# Altium PCB OTPCB.PcbDoc (part 1 of 3)
Units mm, origin at the board's own origin, x right, y up, seen from the top; angles counter-clockwise.
Board outline 201.69 x 98.36 mm, 4 copper layers (Top Layer, Layer 1, Layer 2, Bottom Layer), stack 1.546 mm thick; 269 components, 220 nets, 1102 pads, 262 vias.
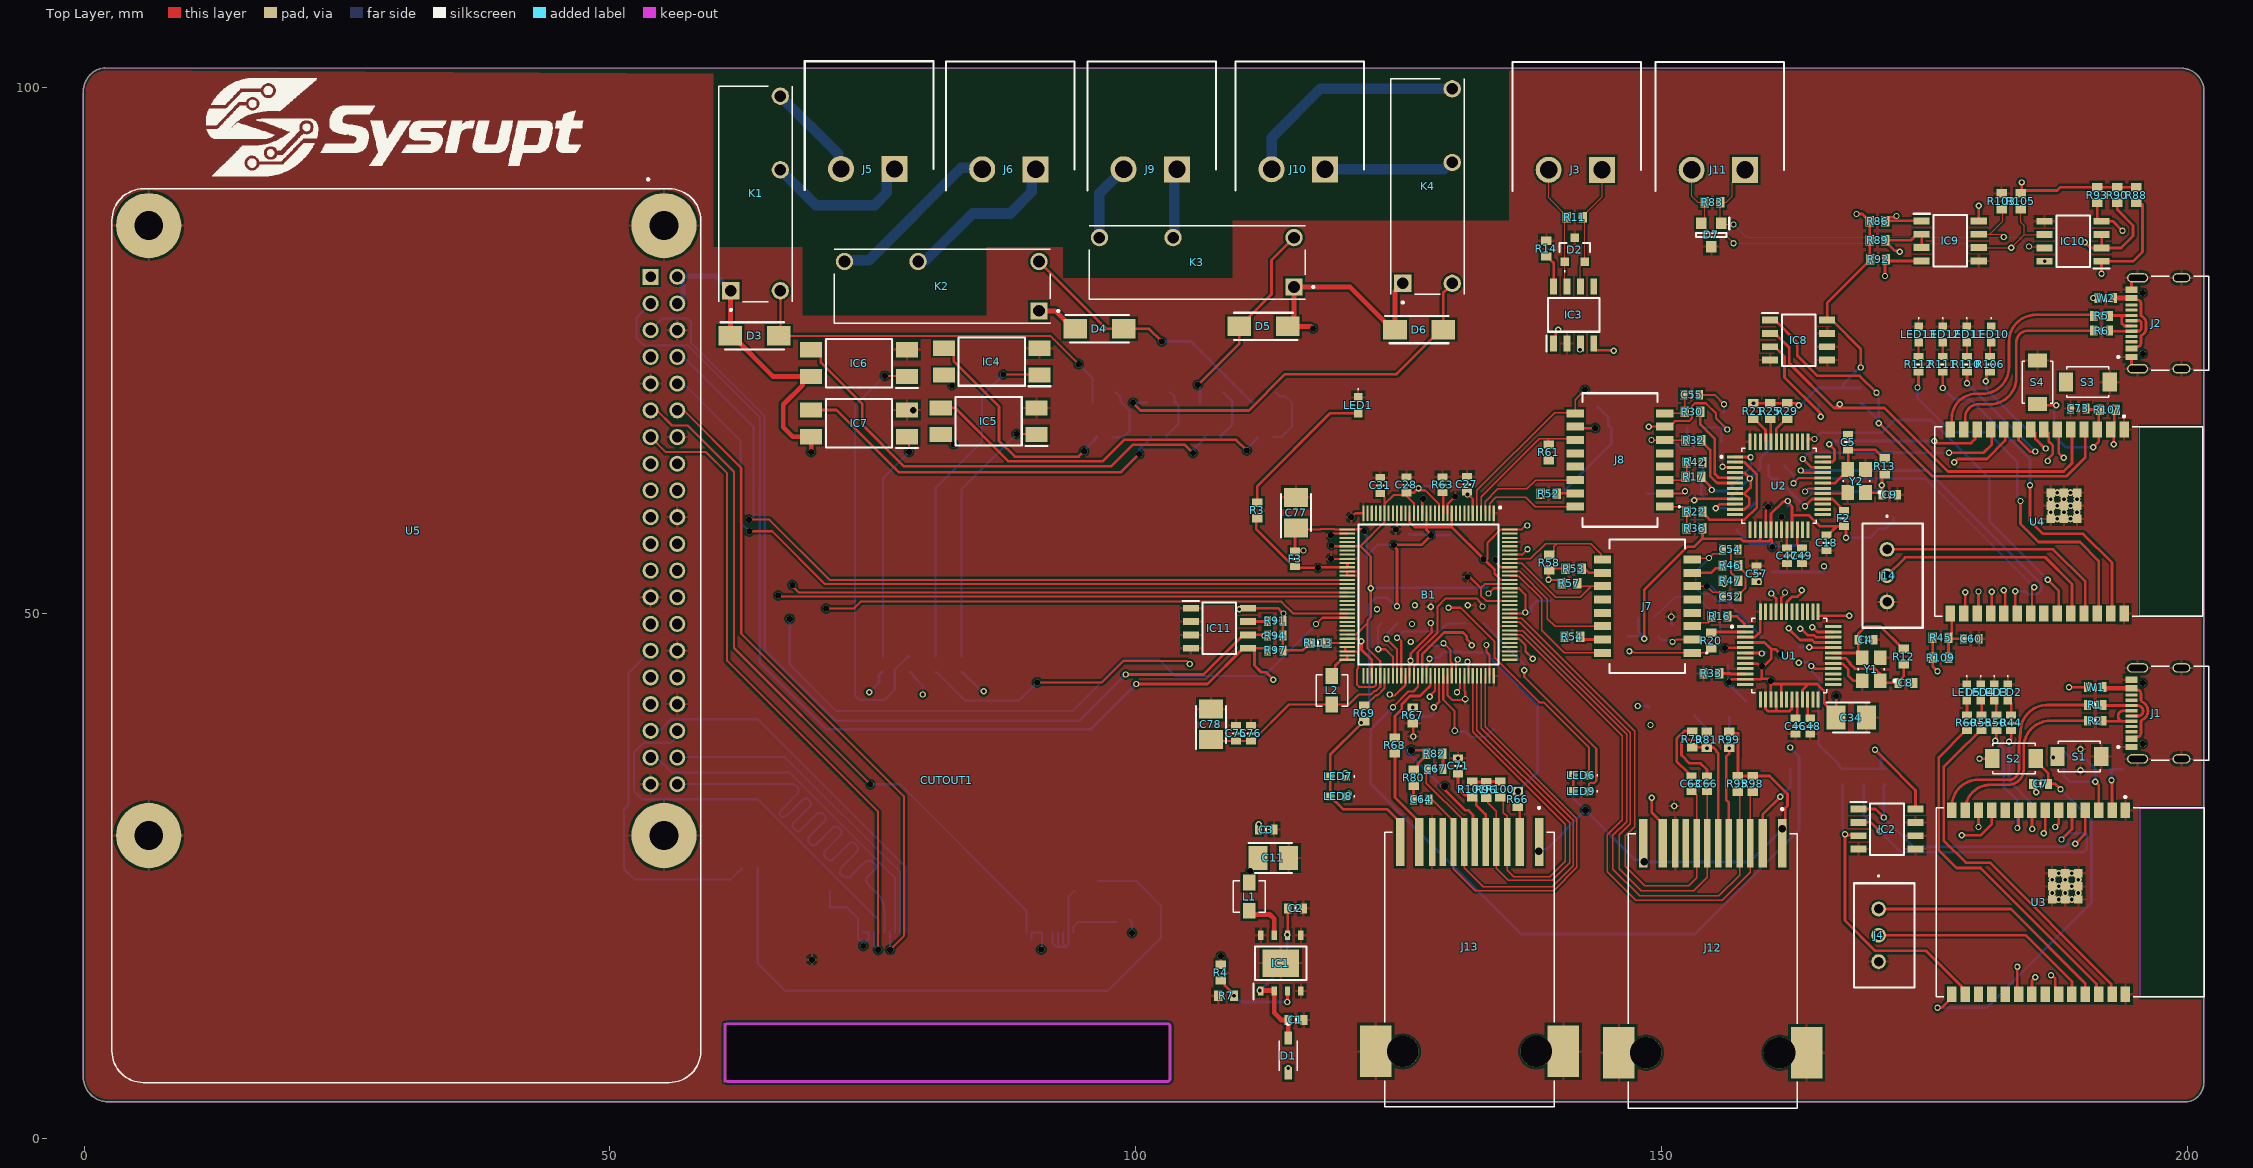
[diagram p0: Top Layer view]
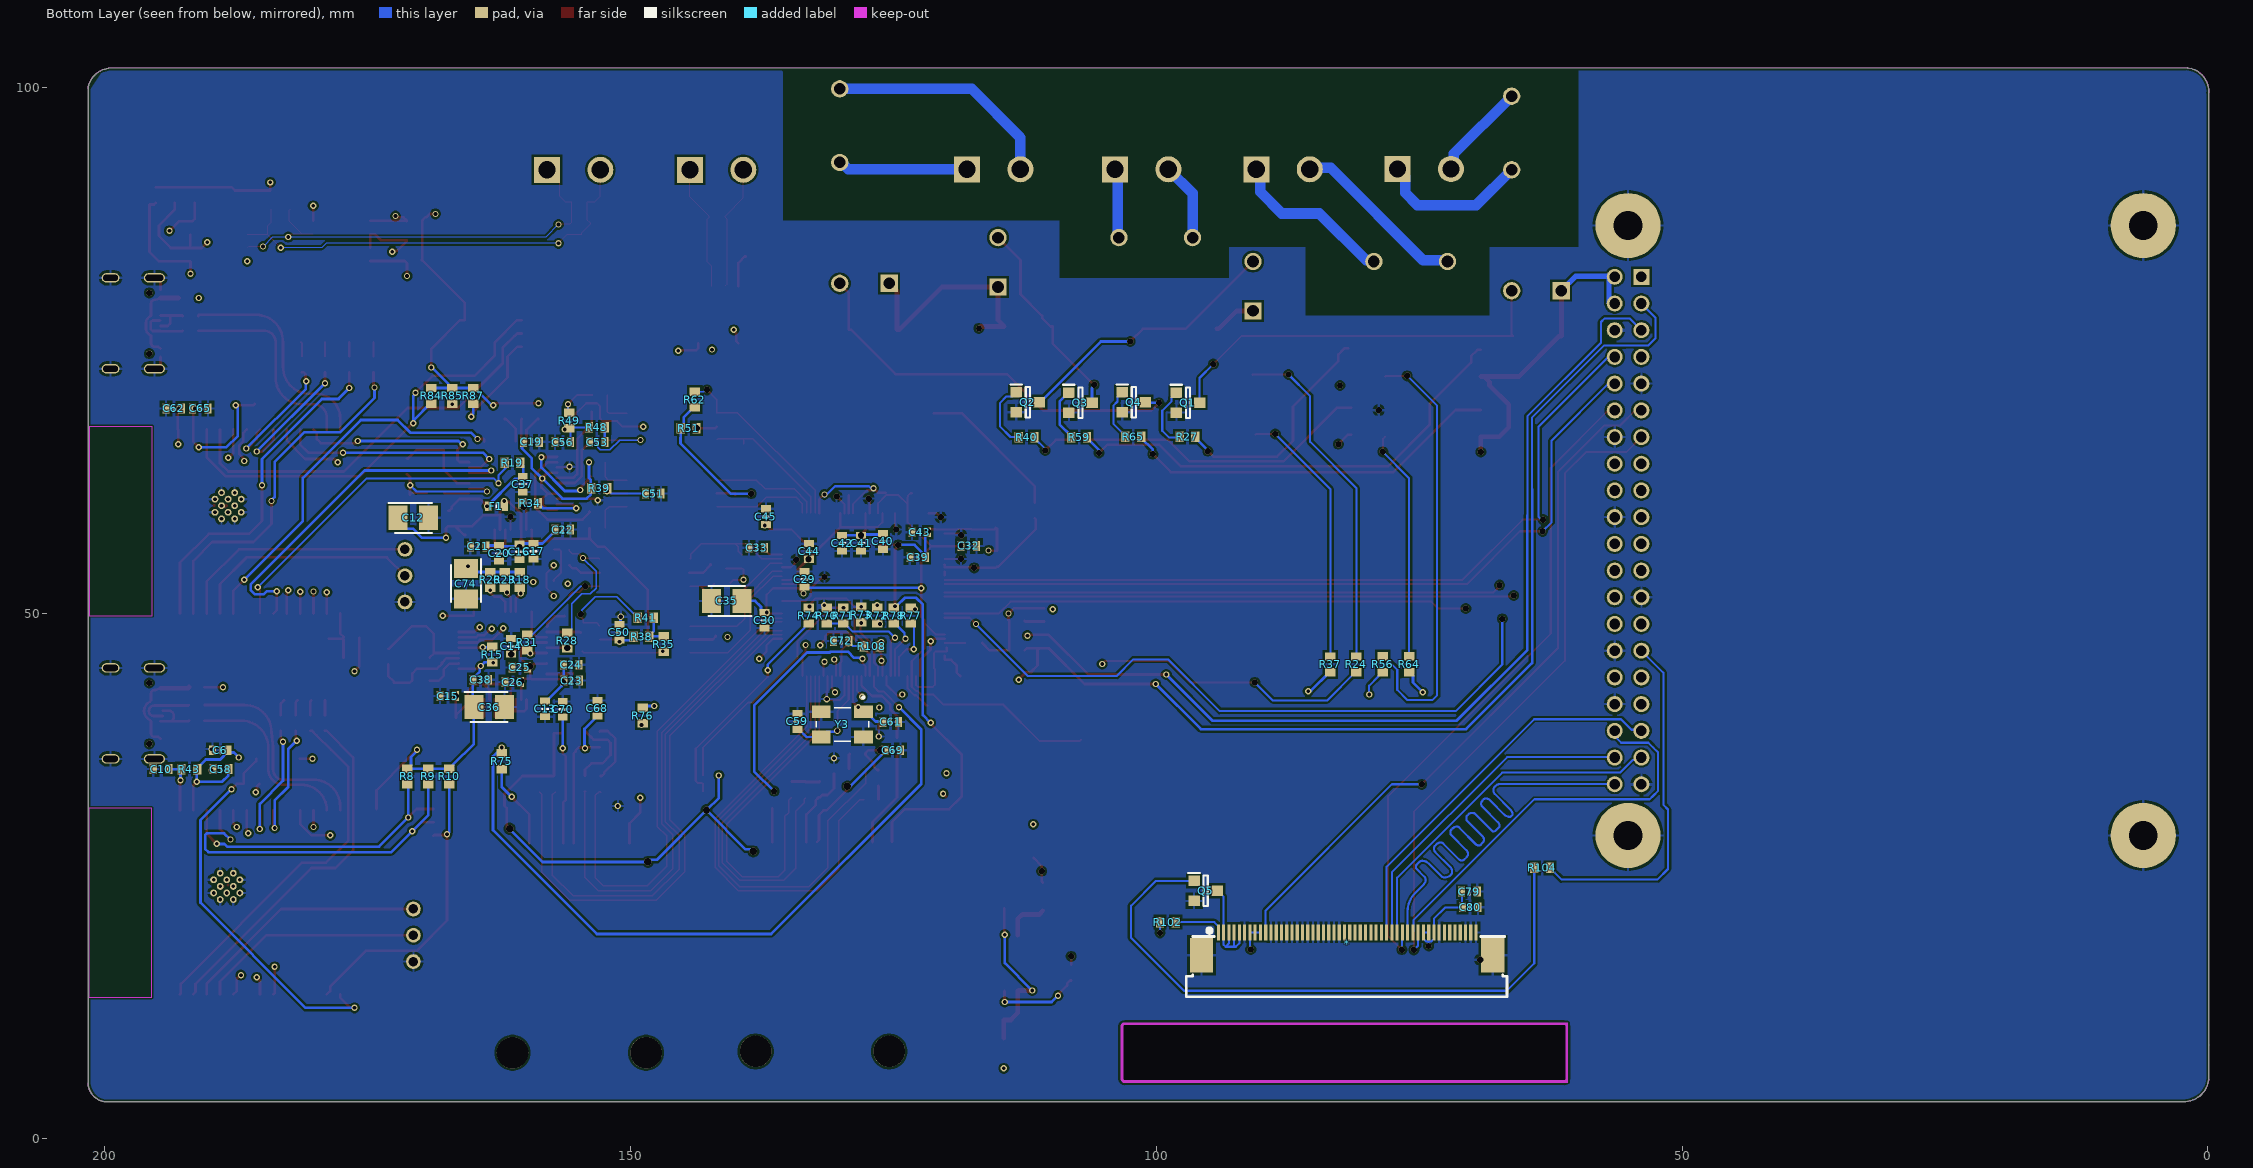
[diagram p1: Bottom Layer view, seen from below]
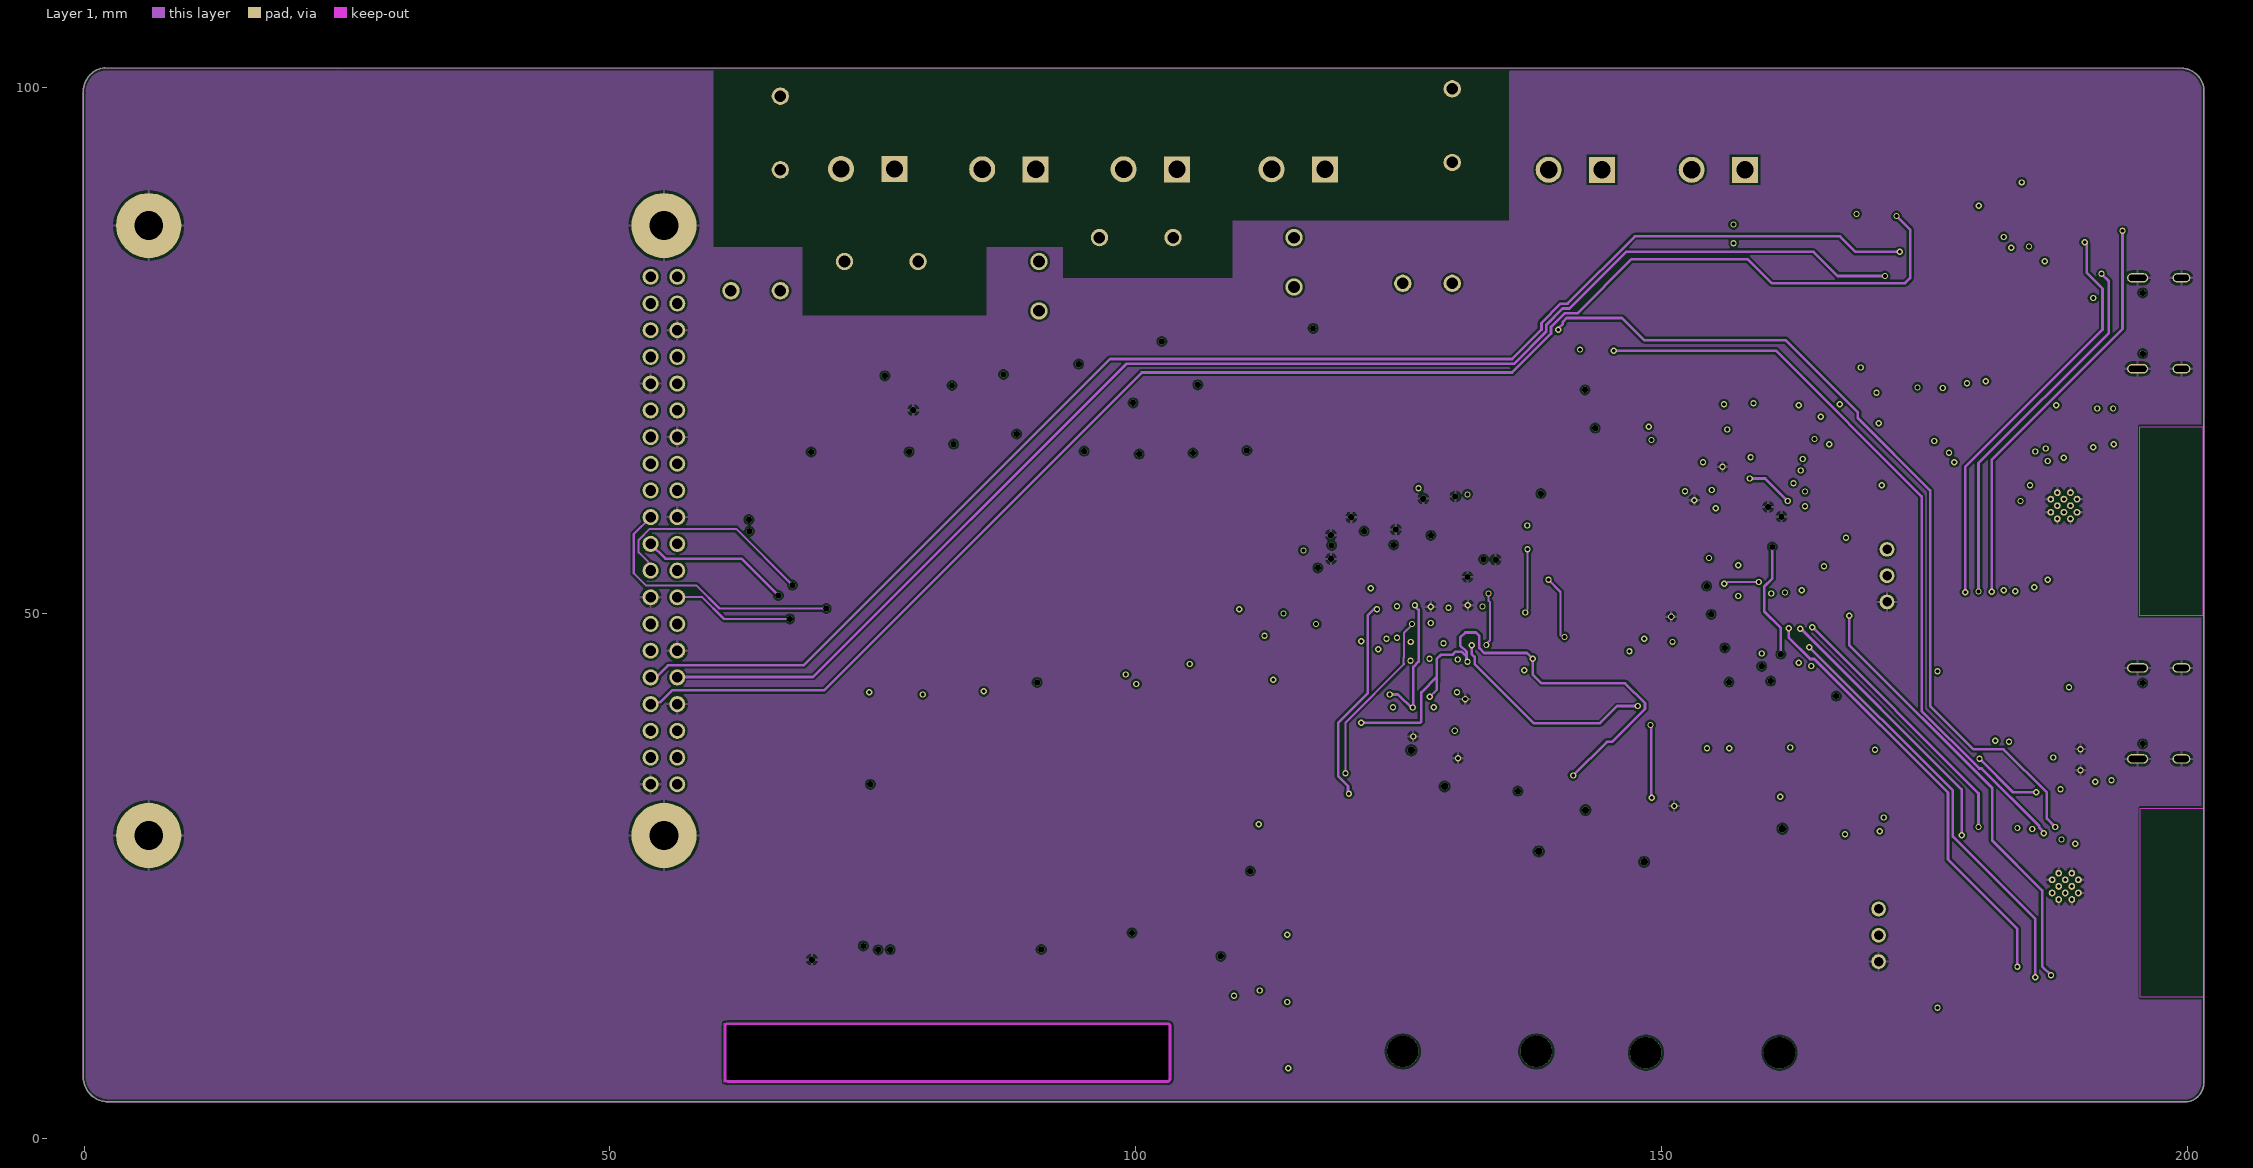
[diagram p2: Layer 1]
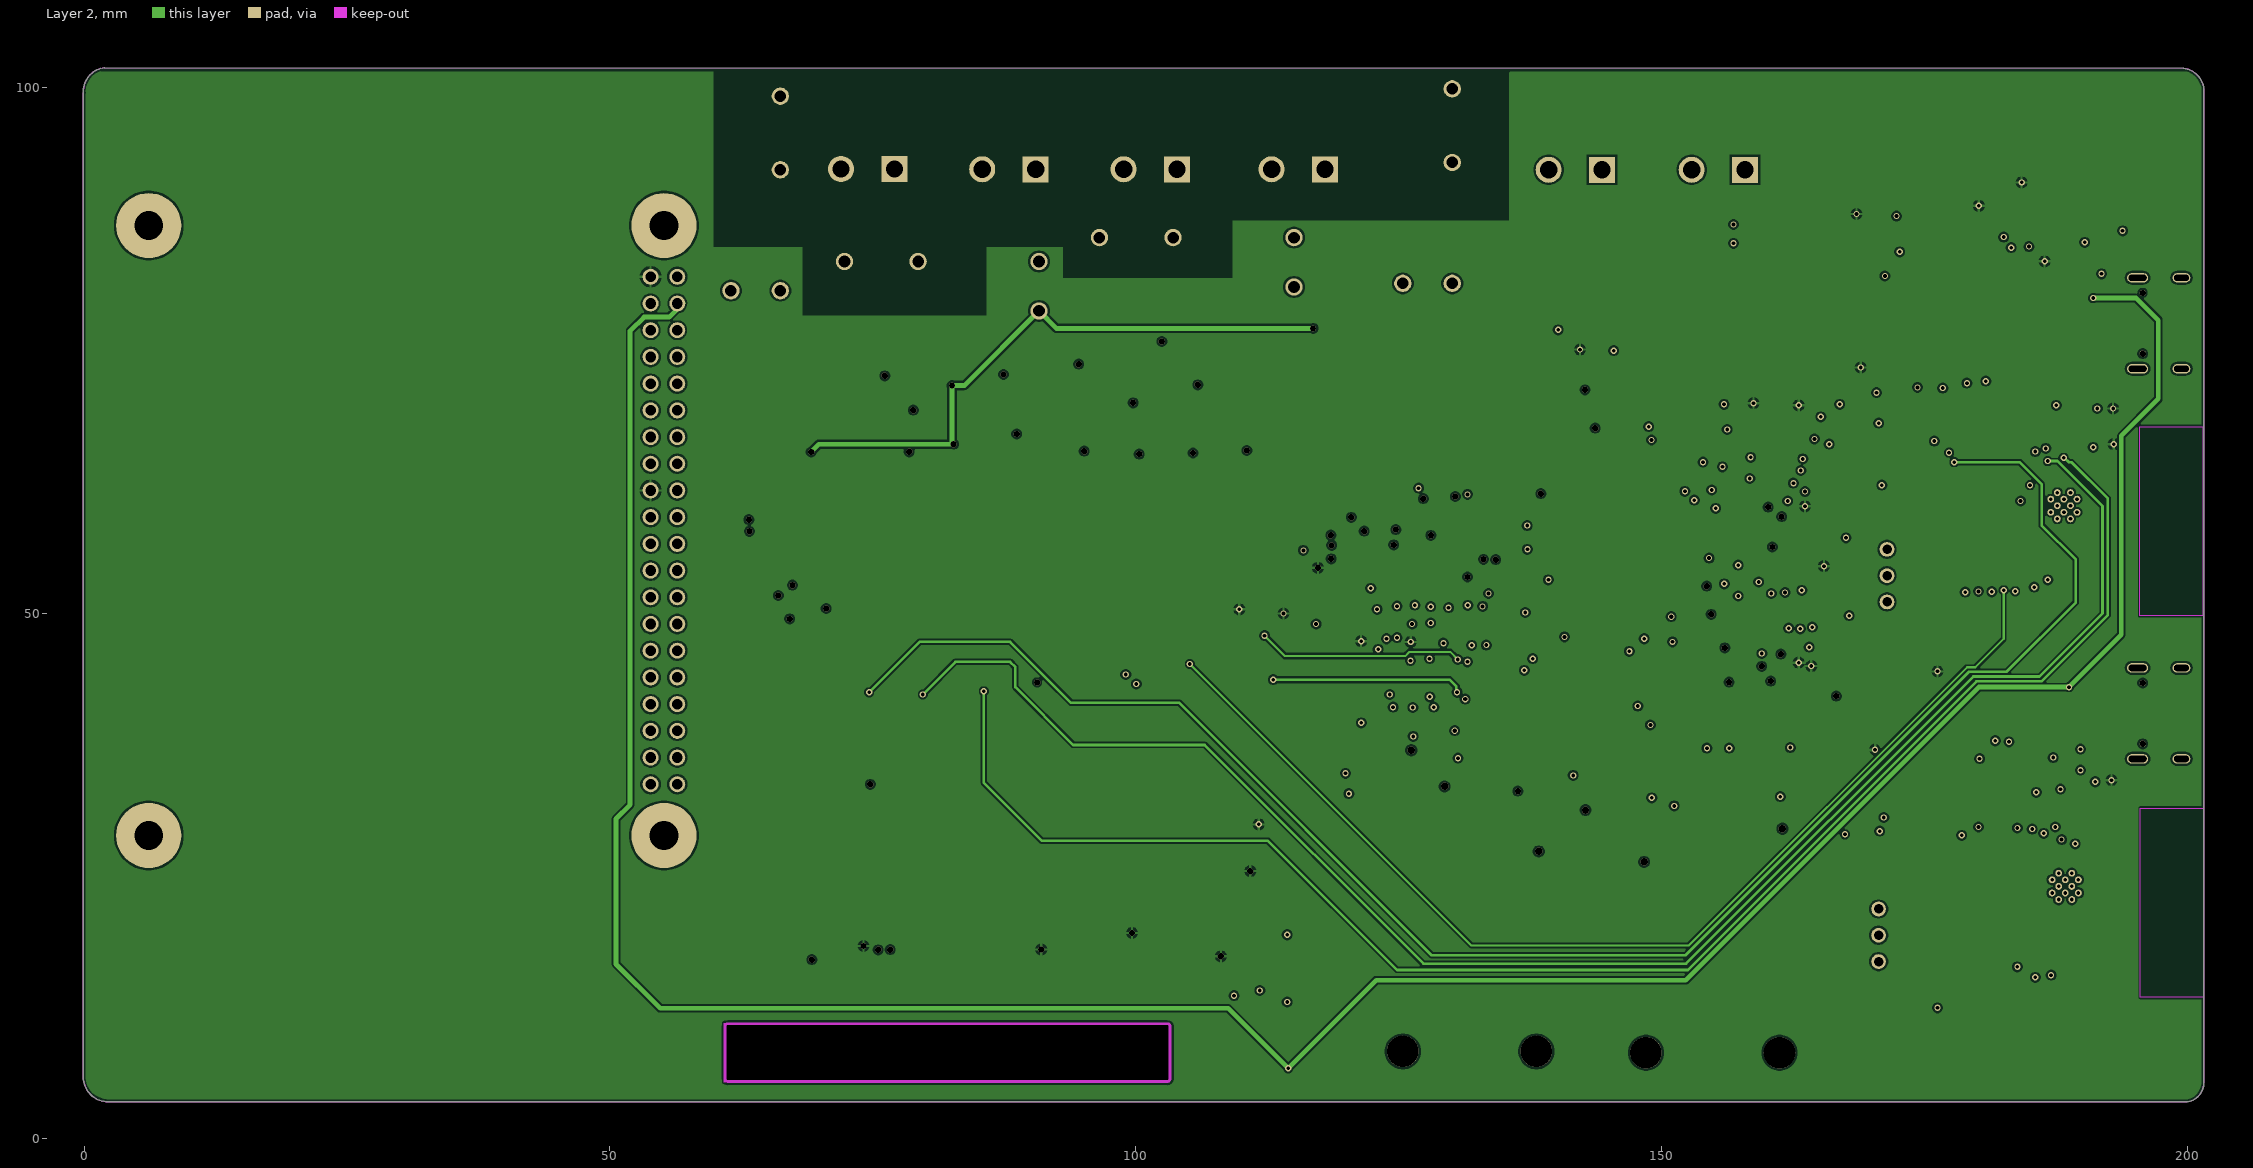
[diagram p3: Layer 2]
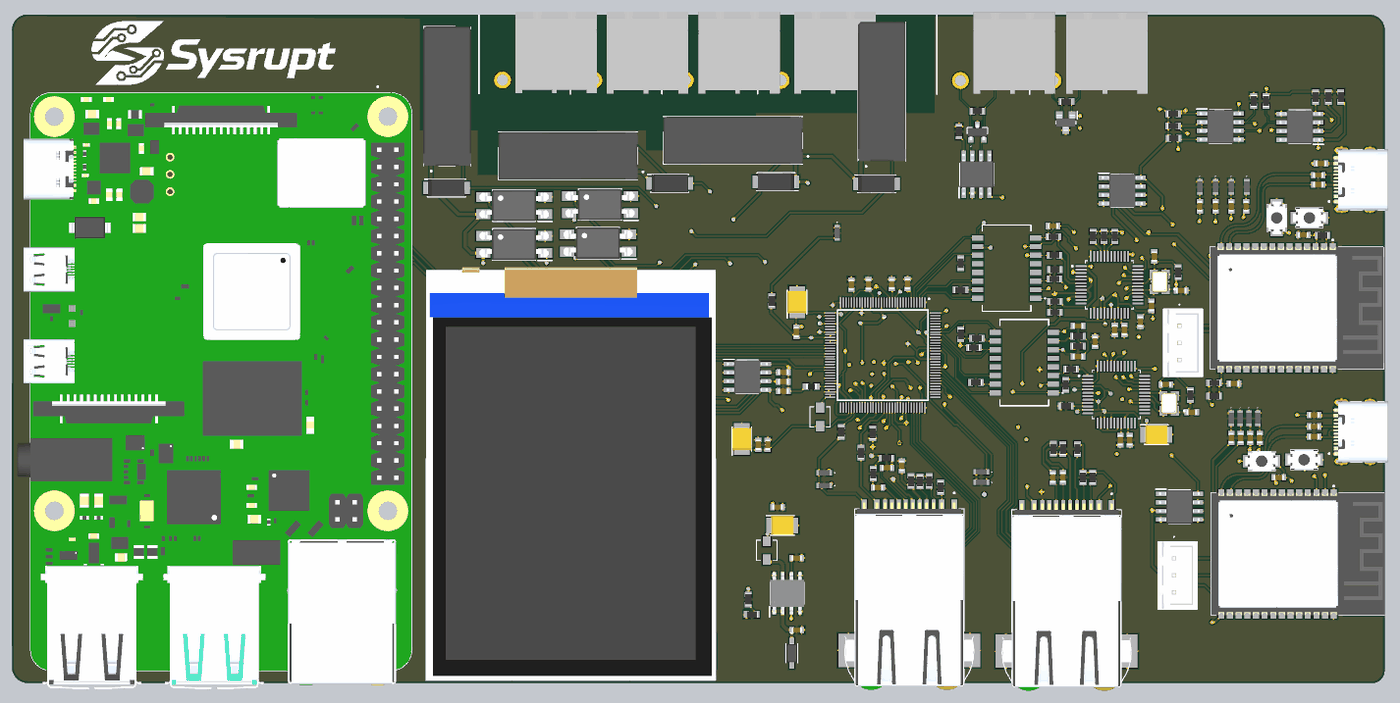
[diagram p6: 3D render of the assembled board from above, using the file's embedded part models]
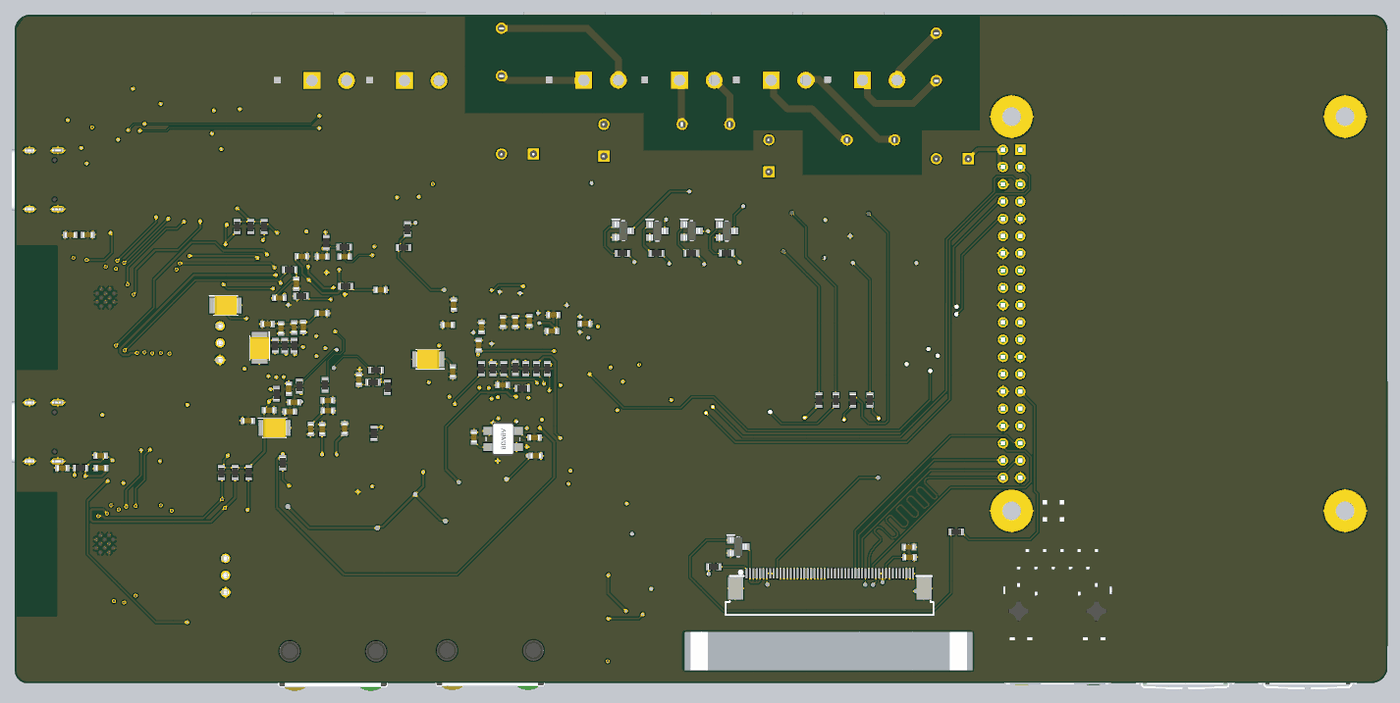
[diagram p7: 3D render of the assembled board from below, using the file's embedded part models]

## Layer stack, top to bottom
Top Solder: solder mask 0.0102, Solder Resist, Dk 3.5
Top Layer: signal copper 0.0356
Dielectric 2: prepreg 0.12, PP-006, Dk 4.1
Layer 1: signal copper 0.035
Dielectric 1: dielectric 1.165, FR-4, Dk 4.8
Layer 2: signal copper 0.035
Dielectric 3: prepreg 0.12, PP-006, Dk 4.1
Bottom Layer: signal copper 0.0356
Bottom Solder: solder mask 0.0102, Solder Resist, Dk 3.5

## Board outline
-0.082,8.932 -0.078,43.882 -0.076,61.07 -0.076,85.099 -0.075,85.1 -0.075,99.475 -0.074,99.476 cw(c2.213,99.598) 1.962,101.875 1.925,101.88 199.673,101.825 199.676,101.824 cw(c199.395,99.617) 201.607,99.856 201.607,5.357 cw(c199.759,5.356) 199.958,3.52 199.95,3.516 2.295,3.525 cw(c2.295,5.91) -0.077,5.653 -0.075,5.65 -0.075,8.924

## Design rules (kind name [scope] priority, off if disabled: settings)
Clearance [All] p1: gap=0.2 ignorepadtopadclearanceinfootprint=FALSE
DiffPairsRouting CAN/485pairs [InDifferentialPairClass('CAN/485')] p1: maxlimit=0.127 minlimit=0.127 mostfreqgap=0.127 toplayer_minwidth=0.077 toplayer_maxwidth=0.077 toplayer_prefwidth=0.077 midlayer1_minwidth=0.023 midlayer1_maxwidth=0.023 midlayer1_prefwidth=0.023 midlayer2_minwidth=0.023 midlayer2_maxwidth=0.023 midlayer2_prefwidth=0.023 bottomlayer_minwidth=0.077 bottomlayer_maxwidth=0.077 bottomlayer_prefwidth=0.077 impedanceprofiledriven=TRUE impedanceprofileid={74661D1B-5E89-488D-AAC7-68F431FE616F} impedanceprofilevalue=120.000000 maxuncoupledlength=12.7
DiffPairsRouting ETHpairs [InDifferentialPairClass('ETH')] p2: maxlimit=0.127 minlimit=0.127 mostfreqgap=0.127 toplayer_minwidth=0.133 toplayer_maxwidth=0.133 toplayer_prefwidth=0.133 midlayer1_minwidth=0.057 midlayer1_maxwidth=0.057 midlayer1_prefwidth=0.057 midlayer2_minwidth=0.057 midlayer2_maxwidth=0.057 midlayer2_prefwidth=0.057 bottomlayer_minwidth=0.133 bottomlayer_maxwidth=0.133 bottomlayer_prefwidth=0.133 impedanceprofiledriven=TRUE impedanceprofileid={91F83290-CCAE-4041-A42F-3587F763B10A} impedanceprofilevalue=100.000000 maxuncoupledlength=12.7
PolygonConnect [All] p1: connectstyle=Relief reliefconductorwidth=0.254 reliefentries=4 polygonreliefangle="90 Angle" airgapwidth=0.254
RoutingVias [All] p1: holewidth=0.4 width=0.6 viastyle="Through Hole" minholewidth=0.3 minwidth=0.5 maxholewidth=0.8 maxwidth=0.8
SolderMaskExpansion [All] p1: expansion=0.102 istentingtop=FALSE
Width [All] p1: maxlimit=1 minlimit=0.2 preferedwidth=0.254
29 further rules are at their usual default settings.

## Classes and differential pairs
differential pair class ETH: ETH1 ETH2 ETH3 ETH4 ETH5 ETH6 ETH7 ETH8 ETH9 ETH10 ETH11 ETH12
differential pair class CAN/485: 485 CAN
differential pair ETH12: +NetB1_4 -NetB1_5
differential pair ETH11: +NetB1_2 -NetB1_3
differential pair ETH10: +NetC53_2 -NetC55_2
differential pair ETH9: +NetJ8_1 -NetJ8_3
differential pair ETH8: +NetB1_120 -NetB1_121
differential pair ETH7: +NetB1_117 -NetB1_118
differential pair ETH6: +NetC52_2 -NetC54_2
differential pair ETH5: +NetJ7_1 -NetJ7_3
differential pair ETH4: +ETH1_T_P -ETH1_T_N
differential pair ETH3: +ETH1_R_P -ETH1_R_N
differential pair ETH2: +ETH0_T_P -ETH0_T_N
differential pair ETH1: +ETH0_R_P -ETH0_R_N
differential pair CAN: +CAN_P -CAN_N
differential pair 485: +485_P -485_N
